# Altium PCB PCB1_lsit.PcbDoc (part 1 of 2)
Units mil, origin at the board's own origin, x right, y up, seen from the top; angles counter-clockwise.
Board outline 2771.38 x 2850.31 mil, 2 copper layers (Top Layer, Bottom Layer); 97 components, 68 nets, 354 pads, 118 vias.
Unrouted connection lines stored in the file: 70.
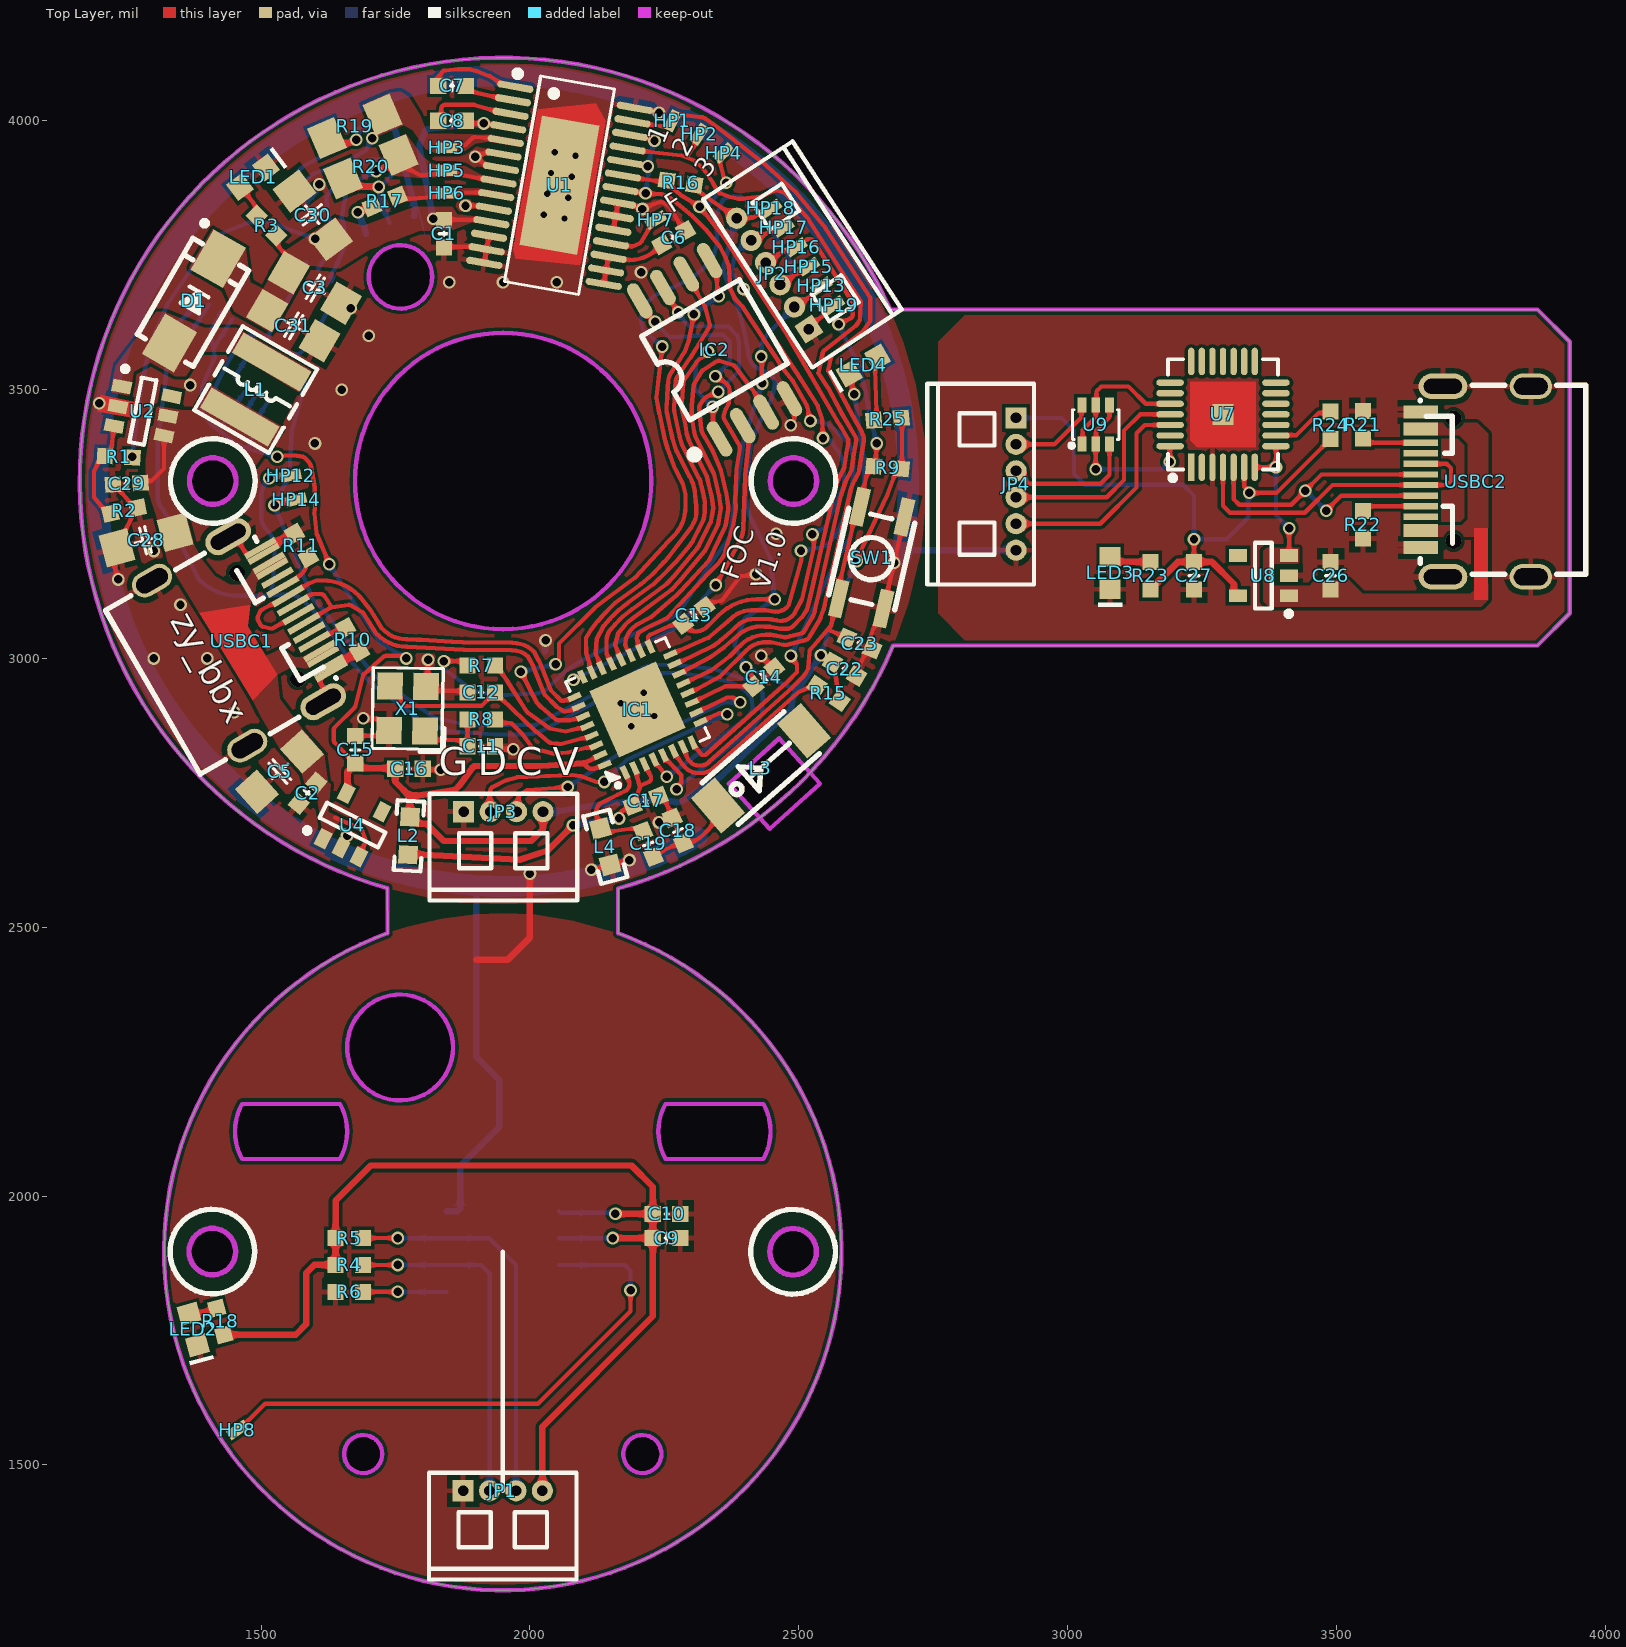
[diagram p0: Top Layer view]
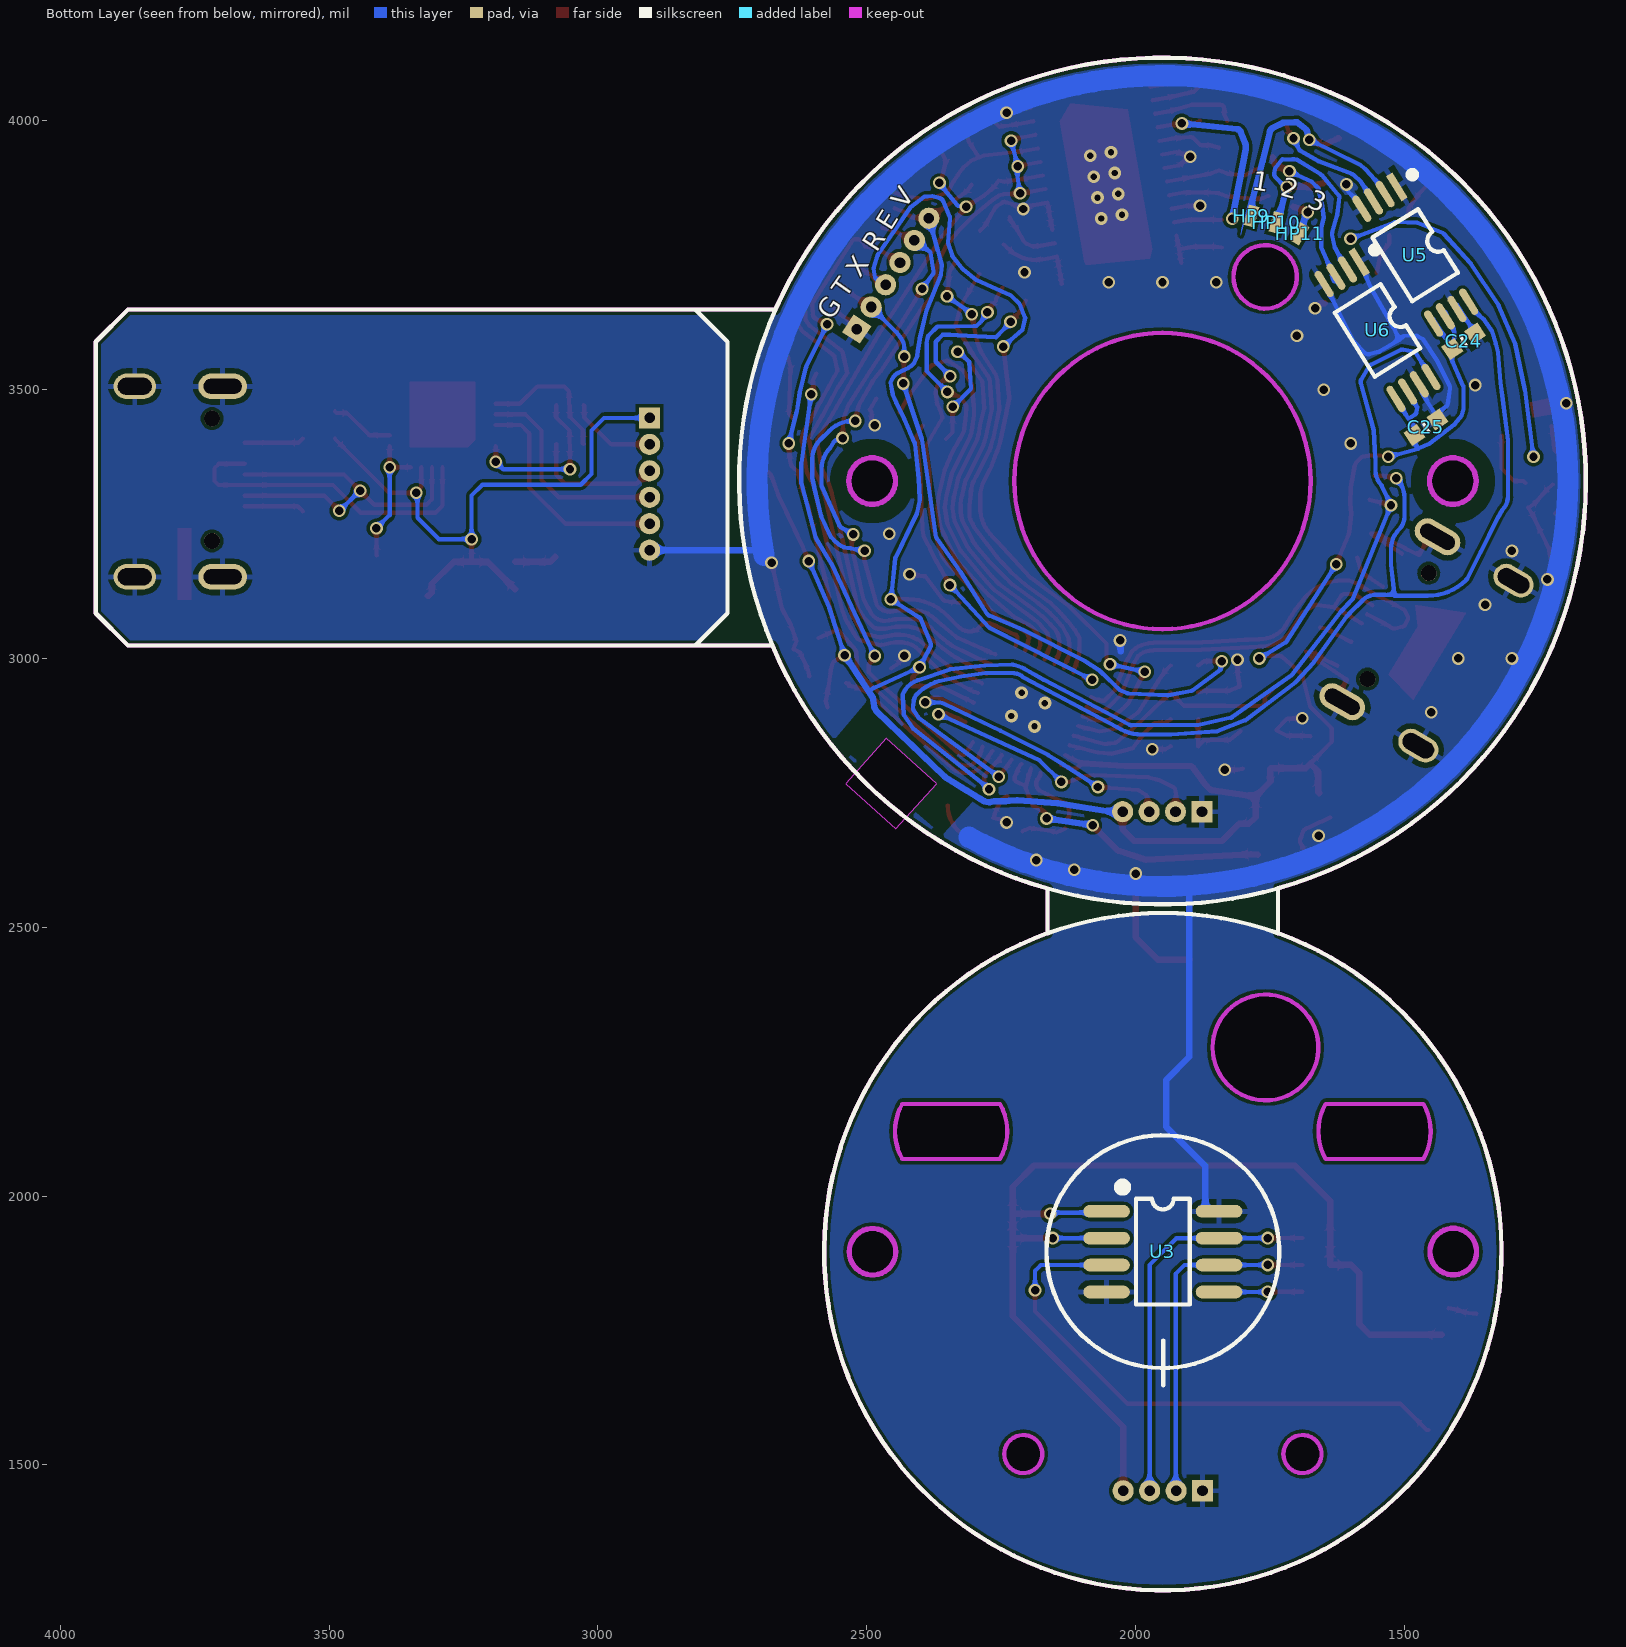
[diagram p1: Bottom Layer view, seen from below]
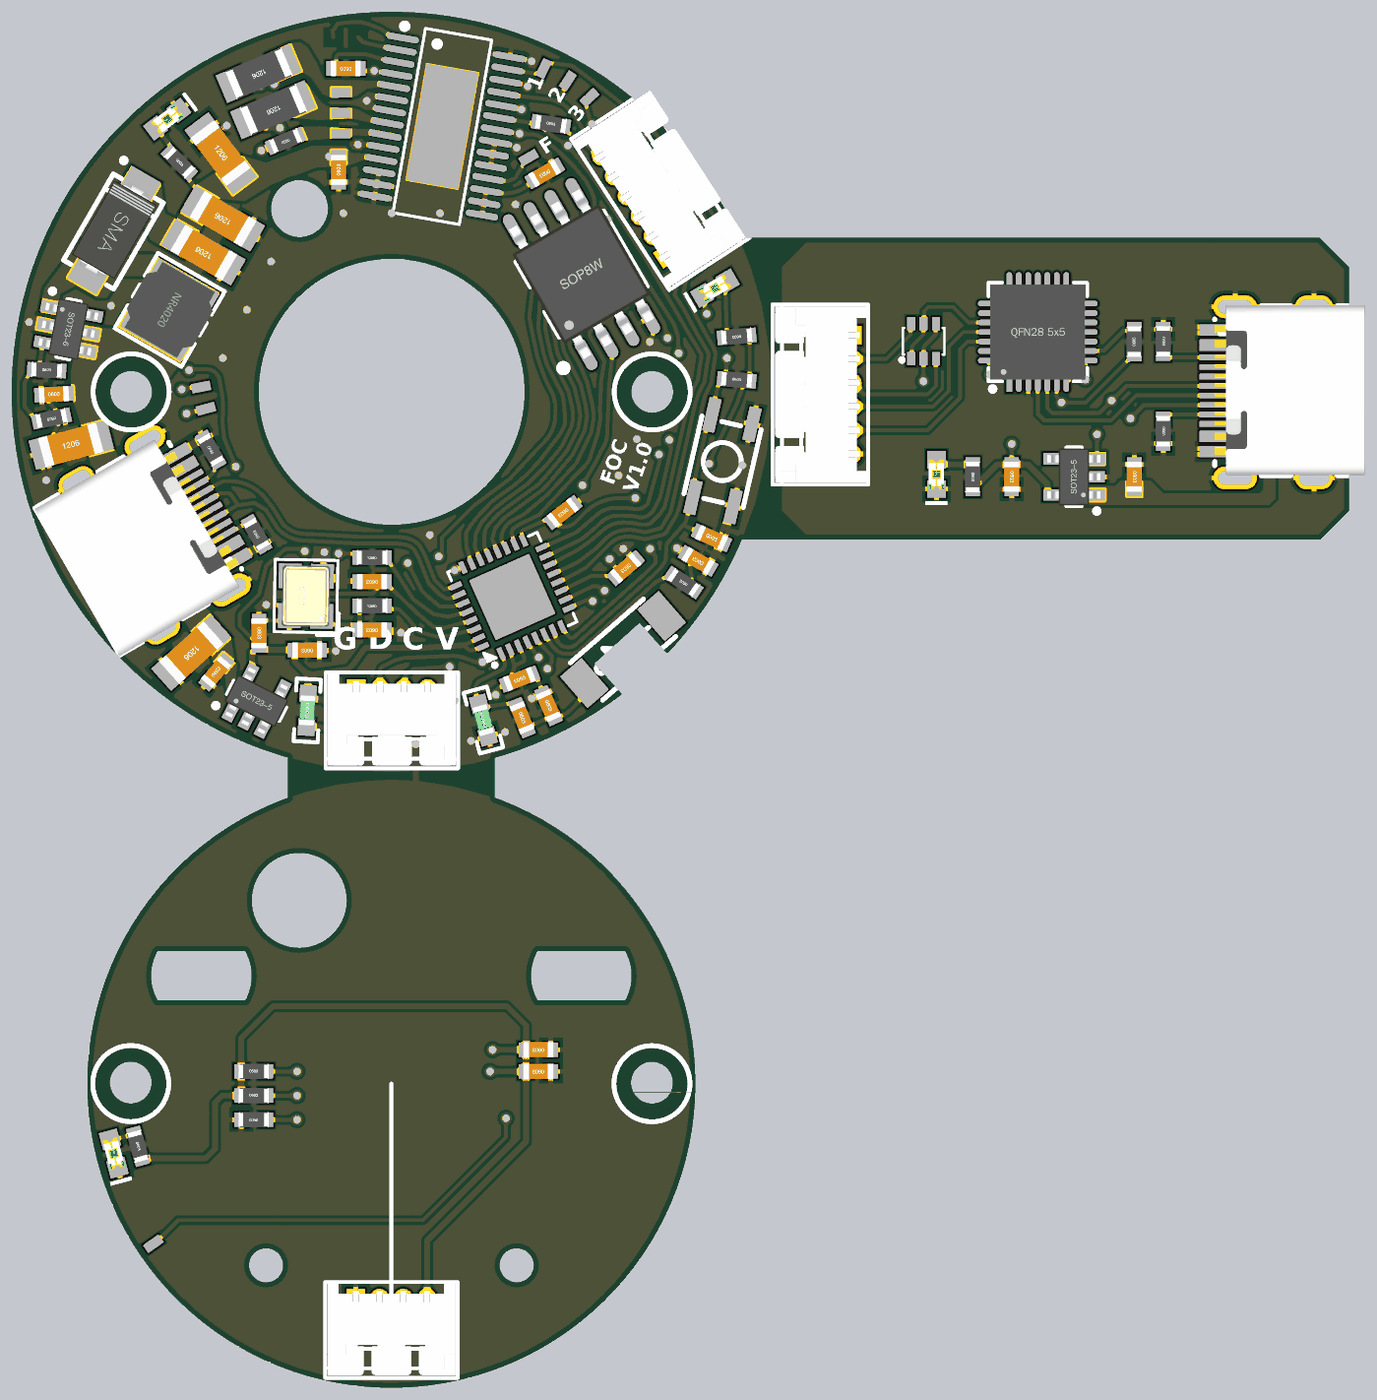
[diagram p3: 3D render of the assembled board from above, using the file's embedded part models]
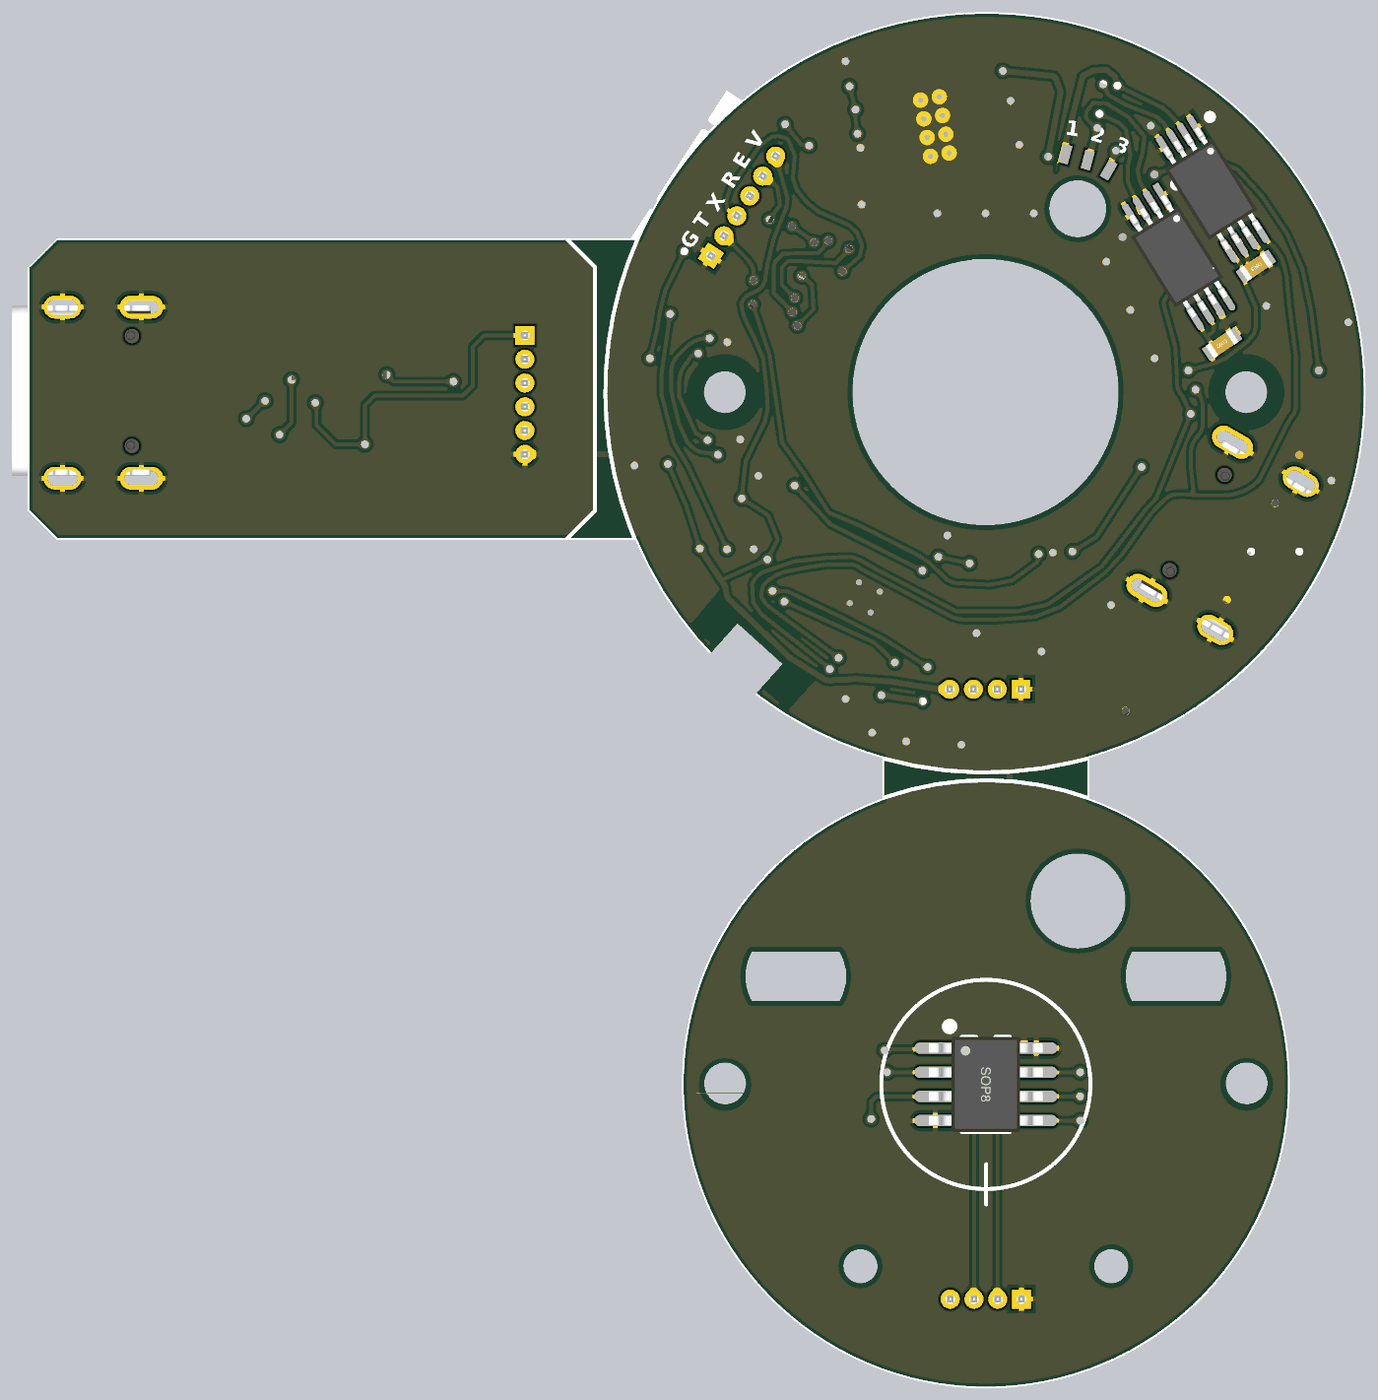
[diagram p4: 3D render of the assembled board from below, using the file's embedded part models]

## Layer stack, top to bottom
Top Solder: solder mask 0.4, Solder Resist, Dk 3.5
Top Layer: signal copper 1.4
Dielectric 1: dielectric 12.6, FR-4, Dk 4.8
Bottom Layer: signal copper 1.4
Bottom Solder: solder mask 0.4, Solder Resist, Dk 3.5

## Board outline
1735.03,2489.09 1735,2572.41 1735.03,2572.51 cw(c1950,3330) 2669.71,3649.41 2669.71,3649 3874,3649 3934,3589 3934,3084 3874,3024 2675.46,3024 2675.55,3023.96 cw(c1950.02,3329.92) 2163.74,2572.08 2163.74,2489.22 2163.69,2489.09 cw(c1949.37,1896.75)
cut-out: 1409.23,1855.58 cw(c1409.23,1898.88) 1365.92,1898.88 cw(c1409.23,1898.88) 1409.23,1942.19 cw(c1409.23,1898.88) 1452.53,1898.88 cw(c1409.23,1898.88)
cut-out: 2489.39,1855.38 cw(c2489.39,1898.69) 2446.08,1898.69 cw(c2489.39,1898.69) 2489.39,1941.99 cw(c2489.39,1898.69) 2532.7,1898.69 cw(c2489.39,1898.69)
cut-out: 2173.58,1520.33 ccw(c2209.01,1520.33) 2209.01,1484.9 ccw(c2209.01,1520.33) 2244.45,1520.33 ccw(c2209.01,1520.33) 2209.01,1555.76 ccw(c2209.01,1520.33)
cut-out: 1654.29,1520.33 ccw(c1689.72,1520.33) 1689.72,1484.9 ccw(c1689.72,1520.33) 1725.16,1520.33 ccw(c1689.72,1520.33) 1689.72,1555.76 ccw(c1689.72,1520.33)
cut-out: 1464.75,2069.15 cw(c1555.67,2120.33) 1464.75,2171.51 1646.58,2171.51 cw(c1555.67,2120.33) 1646.58,2069.15
cut-out: 1758.42,2178.04 cw(c1758.42,2276.46) 1660,2276.46 cw(c1758.42,2276.46) 1758.42,2374.89 cw(c1758.42,2276.46) 1856.85,2276.46 cw(c1758.42,2276.46)
cut-out: 2252.16,2069.15 2433.98,2069.15 ccw(c2343.07,2120.33) 2433.98,2171.51 2252.16,2171.51 ccw(c2343.07,2120.33)
cut-out: 1950,3054.41 cw(c1950,3330) 1674.41,3330 cw(c1950,3330) 1950,3605.59 cw(c1950,3330) 2225.59,3330 cw(c1950,3330)
cut-out: 1759.06,3650.66 cw(c1759.06,3709.71) 1700,3709.71 cw(c1759.06,3709.71) 1759.06,3768.77 cw(c1759.06,3709.71) 1818.11,3709.71 cw(c1759.06,3709.71)
cut-out: 2490,3286.69 cw(c2490,3330) 2446.69,3330 cw(c2490,3330) 2490,3373.31 cw(c2490,3330) 2533.31,3330 cw(c2490,3330)
cut-out: 1410,3286.69 cw(c1410,3330) 1366.69,3330 cw(c1410,3330) 1410,3373.31 cw(c1410,3330) 1453.31,3330 cw(c1410,3330)
cut-out: 2445.87,2682.96 2369.97,2767.25 2463.6,2851.55 2539.5,2767.26

## Design rules (kind name [scope] priority, off if disabled: settings)
Clearance [All] p1: gap=6 ignorepadtopadclearanceinfootprint=TRUE
HoleSize [All] p1 off: absolutevalues=TRUE maxlimit=100 minlimit=1 maxpercent=80.000 minpercent=20.000
HoleToHoleClearance [All] p1 off: gap=10 allowstackedmicrovias=TRUE
LayerPairs [All] p1 off: enforce=TRUE
MinimumSolderMaskSliver [All] p1 off: minsoldermaskwidth=10
NetAntennae [All] p1 off: netantennaetolerance=0
PolygonConnect [InNet('GND')] p1: thpad.connectstyle=Relief thpad.reliefconductorwidth=10 thpad.reliefentries=4 thpad.polygonreliefangle="90 Angle" thpad.airgapwidth=10 smdpad.connectstyle=Relief smdpad.reliefconductorwidth=10 smdpad.reliefentries=4 smdpad.polygonreliefangle="90 Angle" smdpad.airgapwidth=10 via.connectstyle=Direct via.reliefconductorwidth=10 via.reliefentries=4 via.polygonreliefangle="90 Angle" via.airgapwidth=10
PolygonConnect PolygonConnect_1 [All] p2: connectstyle=Direct reliefconductorwidth=10 reliefentries=4 polygonreliefangle="90 Angle" airgapwidth=10
RoutingVias [All] p1: holewidth=15.75 width=23.62 viastyle="Through Hole" minholewidth=15.75 minwidth=23.62 maxholewidth=15.75 maxwidth=23.62
SilkToSilkClearance [All] p1 off: silktosilkclearance=10
SilkToSolderMaskClearance [IsPad] p1 off: minsilkscreentomaskgap=10 clearancetoexposedcopper=TRUE
SolderMaskExpansion [All] p1: expansion=4 istentingtop=FALSE
UnRoutedNet [All] p1: checkbadconnections=TRUE
Width [All] p1: maxlimit=12 minlimit=8 preferedwidth=8
22 further rules are at their usual default settings.

## Classes and differential pairs
component class Sheet1: C1 C2 C3 C5 C6 C7 C8 C11 C12 C13 C14 C15 C16 C17 C18 C19 C22 C23 C24 C25 C28 C29 C30 C31 D1 HP1 HP2 HP3 HP4 HP5 HP6 HP7 HP9 HP10 HP11 HP12 HP13 HP14 HP15 HP16 HP17 HP18 HP19 IC1 IC2 JP2 JP3 L1 L2 L3 L4 LED1 LED4 R1 R2 R3 R7 R8 R9 R10 R11 R15 R16 R17 R19 R20 R25 SW1 U1 U2 U4 U5 U6 USBC1 X1

## Components (designator, comment, footprint, x,y, rotation, side; value= is the part's Value field where it differs from the comment)
C1 "104" "C 0603_L" 1840,3790 r90 top
C2 "104" "C 0603_L" 1586.45,2749.61 r50 top
C3 "22uF" "C 1206_L" 1600.75,3688.62 r150 top
C5 "106" "C 1206_L" 1535,2790 r222 top
C6 "0.47uF" "C 0603_L" 2267.16,3782.79 r210 top
C7 "0.01uF/100V" "C 0603_L" 1855,4065 r0 top
C8 "0.1uF/16V/MLCC" "C 0603_L" 1855,4000 r180 top
C9 "104" "C 0603_L" 2254,1922 r180 top locked
C10 "105" "C 0603_L" 2254,1967 r180 top locked
C11 "10pF" "C 0603_L" 1909.33,2836.79 r180 top
C12 "10pF" "C 0603_L" 1909.34,2936.8 r180 top
C13 "105" "C 0603_L" 2305,3080 r218 top
C14 "103" "C 0603_L" 2435,2965 r221 top
C15 "105" "C 0603_L" 1675,2830 r270 top
C16 "104" "C 0603_L" 1775,2795 r180 top
C17 "104" "C 0603_L" 2215,2735 r201 top
C18 "2.4pF" "C 0603_L" 2275,2680 r294 top
C19 "8.2pF" "C 0603_L" 2220,2655 r292 top
C22 "104" "C 0603_L" 2585,2980 r150 top
C23 "104" "C 0603_L" 2612.96,3027.81 r336 top
C24 "104" "C 0603_L" 1390,3590 r326 bottom
C25 "104" "C 0603_L" 1460,3430 r146 bottom
C26 "104" "C 0603_L" 3489,3154 r270 top
C27 "104" "C 0603_L" 3235,3154 r270 top
C28 "10uF" "C 1206_L" 1285,3220 r15 top
C29 "104" "C 0603_L" 1250,3325 r3 top
C30 "47UF" "C 1206_L" 1595,3825 r307 top
C31 "47UF" "C 1206_L" 1560.75,3618.62 r150 top
D1 "SS14" SMA 1375,3665 r60 top
HP1 "HP" HP1x0.5 2265,4000 r244 top
HP2 "HP" HP1x0.5 2315,3975 r237 top
HP3 "HP" HP1x0.5 1845,3950 r180 top
HP4 "HP" HP1x0.5 2360,3940 r223 top
HP5 "HP" HP1x0.5 1845,3907.5 r180 top
HP6 "HP" HP1x0.5 1845,3865 r180 top
HP7 "HP" HP1x0.5 2233.85,3815.48 r210 top
HP8 "HP" HP1x0.5 1456,1565 r35 top
HP9 "OUT1" HP1x0.5 1784.55,3822.92 r105 bottom
HP10 "OUT2" HP1x0.5 1738.49,3810.58 r105 bottom
HP11 "OUT3" HP1x0.5 1695,3790 r120 bottom
HP12 "HP" HP1x0.5 1555,3340 r11 top
HP13 "HP" HP1x0.5 2541.84,3692.87 r33 top
HP14 "HP" HP1x0.5 1565,3295 r15 top
HP15 "HP" HP1x0.5 2518.42,3728.94 r33 top
HP16 "HP" HP1x0.5 2495,3765 r33 top
HP17 "HP" HP1x0.5 2471.58,3801.06 r33 top
HP18 "HP" HP1x0.5 2448.16,3837.13 r33 top
HP19 "HP" HP1x0.5 2565.26,3656.81 r33 top
IC1 "ESP32-C3" ESP32-C3 2200,2905 r114 top
IC2 "W25Q64" SOIC-8W 2343.32,3574.07 r120 top
JP1 "HDR-1X4" "MX 1.25-WI-4P" 1949.37,1452 r0 top locked
JP2 "HDR-1X6" "MX 1.25-WI-6P" 2451.6,3715.64 r123 top locked
JP3 "HDR-1X4" "MX 1.25-WI-4P" 1950.39,2715 r0 top
JP4 "HDR-1X6" "MX 1.25-WI-6P" 2904,3324.39 r270 top
L1 "4.7uH" NR4020 1490,3500 r240 top
L2 "2.0nH" "L 0603" 1775,2670 r267 top
L3 "AN2051" "AN2051-245 2.4G" 2430,2795 r41 top
L4 "1.5nH" "L 0603" 2140,2650 r105 top
LED1 "B" "LED 0603B" 1485,3895 r37 top
LED2 "B" "LED 0603B" 1374,1752 r285 top locked
LED3 "B" "LED 0603B" 3079,3159 r270 top
LED4 "B" "LED 0603B" 2620,3545 r210 top
R1 "47K" "R 0603_L" 1235,3375 r357 top
R2 "3K" "R 0603_L" 1245,3275 r192 top
R3 "4.7K" "R 0603_L" 1510,3805 r315 top
R4 "4.7K" "R 0603_L" 1664,1872 r0 top locked
R5 "4.7K" "R 0603_L" 1664,1922 r0 top locked
R6 "1K" "R 0603_L" 1664,1822 r180 top locked
R7 "0" "R 0603_L" 1909.33,2986.79 r180 top
R8 "0" "R 0603_L" 1909.33,2886.79 r180 top
R9 "10K" "R 0603_L" 2665,3355 r355 top
R10 "5.1K" "R 0603_L" 1670,3035 r120 top
R11 "5.1K" "R 0603_L" 1575,3210 r120 top
R15 "10K" "R 0603_L" 2555,2935 r146 top
R16 "10K" "R 0603_L" 2280,3885 r351 top
R17 "0" "R 0603_L" 1730,3850 r203 top
R18 "4.7K" "R 0603_L" 1424,1767 r285 top locked
R19 "0.01R" "R 1206_L" 1675,3990 r203 top
R20 "0.01R" "R 1206_L" 1705,3915 r203 top
R21 "5.1K" "R 0603_L" 3549,3434.59 r270 top
R22 "5.1K" "R 0603_L" 3549,3248.41 r270 top
R23 "4.7K" "R 0603_L" 3154,3154 r270 top
R24 "1K" "R 0603_L" 3489,3434 r90 top
R25 "1K" "R 0603_L" 2665,3445 r185 top
SW1 "3.2x4.2x5" "TSW SMD 3.2*4.2*2.5" 2635,3185 r77 top
U1 "DRV8313" HTSSOP-28-EP-4.5mm 2055,3880 r260 top
U2 "MT3608" SOT23-6L 1280,3460 r349 top
U3 "AS5600" SOIC-8 1949.37,1896.75 r180 bottom locked
U4 "TLV75533PDBVR" SOT23-5L 1670,2690 r63 top
U5 "INA240" TSSOP8_N 1480,3750 r238 bottom
U6 "INA240" TSSOP8_N 1550,3610 r238 bottom
U7 "CP2102" "QFN28 5x5_M" 3289,3454 r0 top
U8 "TLV75533PDBVR" SOT23-5L 3364,3154 r180 top
U9 "UMH3N" SOT-363 3054,3434 r90 top
USBC1 "TYPE-C 2.0 -16P" USB-C-SMD_TYPE-C-USB-5 1470,3040 r300 top locked
USBC2 "TYPE-C 2.0 -16P" USB-C-SMD_TYPE-C-USB-5 3764,3329 r90 top
X1 "40M" "OSC 3225-4P" 1772.26,2906.92 r89 top

## Footprints (in the part's own frame and the unit in brackets; to place one, negate y for a bottom-side part, rotate by r counter-clockwise, add the part's x,y. Pads: shape width x height; smd on the part's side, far side on the other; paste and mask are expansions set on the pad)
"AN2051-245 2.4G" [mm] "2x5x1mm (2051)"
  rect 1.5x2.2 smd: 1(-2.679,0.03) 2(2.701,0.03)
  silkscreen extent -2.55,-1.27 2.56,1.33, body extent -2.59,-1.3 2.57,1.35, height 1
"C 0603_L" [mil] "无极性贴片电容                                       淘宝ID:黄晶宝石"
  rect 30x30 smd: 1(-25.59,0) 2(25.59,0)
  silkscreen extent -3,-9 3,9, body extent -31,-16 32,16, height 32
"C 1206_L" [mil] "无极性贴片电容                 淘宝ID:黄晶宝石"
  rect 55x62 smd: 1(-55.12,0) 2(57.09,0)
  silkscreen extent -20,-25 20,25, body extent -63,-32 63,32, height 48
ESP32-C3 [mm] "QFN32(5x5)"
  rect 0.65x0.28 smd: 1(-2.478,1.75) 2(-2.478,1.25) 3(-2.478,0.75) 4(-2.478,0.25) 5(-2.477,-0.25) 6(-2.478,-0.75) 7(-2.478,-1.25) 8(-2.478,-1.75) 17(2.478,-1.75) 18(2.478,-1.25) 19(2.478,-0.75) 20(2.478,-0.25) 21(2.478,0.25) 22(2.478,0.75) 23(2.478,1.25) 24(2.478,1.75)
  rect 0.28x0.65 smd: 9(-1.75,-2.478) 10(-1.25,-2.478) 11(-0.75,-2.478) 12(-0.25,-2.478) 13(0.25,-2.478) 14(0.75,-2.478) 15(1.25,-2.478) 16(1.75,-2.478) 25(1.75,2.477) 26(1.25,2.478) 27(0.75,2.478) 28(0.25,2.477) 29(-0.25,2.478) 30(-0.75,2.478) 31(-1.25,2.478) 32(-1.75,2.478)
  rect 3.444x3.444 smd: 33(0,0)
  silkscreen extent -3,-2.58 2.58,2.58, body extent -2.54,-2.54 2.54,2.54, height 0.25
HP1x0.5 [mm]
  rect 1x0.5 smd: 1(0,0)
HTSSOP-28-EP-4.5mm [mm] "DRV8313"
  oval 0.343x1.731 smd paste+0 mask+0.051: 1(-4.225,-2.866) 2(-3.575,-2.866) 3(-2.925,-2.866) 4(-2.275,-2.866) 5(-1.625,-2.866) 6(-0.975,-2.866) 7(-0.325,-2.866) 8(0.325,-2.866) 9(0.975,-2.866) 10(1.625,-2.866) 11(2.275,-2.866) 12(2.925,-2.866) 13(3.575,-2.866) 14(4.225,-2.866) 15(4.225,2.866) 16(3.575,2.866) 17(2.925,2.866) 18(2.275,2.866) 19(1.625,2.866) 20(0.975,2.866) 21(0.325,2.866) 22(-0.325,2.866) 23(-0.975,2.866) 24(-1.625,2.866) 25(-2.275,2.866) 26(-2.925,2.866) 27(-3.575,2.866) 28(-4.225,2.866)
  rect 6.2x2.75 smd paste+0 mask+0.051: 29(0,0)
  silkscreen extent -5,-3.02 4.93,1.77
"L 0603" [mil] "小功率贴片电感        淘宝ID:黄晶宝石"
  rect 35x35 smd: 1(-35,0) 2(35,0)
  silkscreen extent -65,-25 65,25, body extent -31,-16 32,16, height 31
"LED 0603B" [mm] "蓝色0603LED                             淘宝ID:黄晶宝石"
  rect 0.93x0.98 smd: 1(-0.77,0) 2(0.77,0)
  silkscreen extent 1.4,-0.58 1.6,0.58, body extent -0.8,-0.4 0.8,0.4, height 0.61
"MX 1.25-WI-4P" [mm] "长：6.75mm，宽：1.8mm，高：3.3mm"
  rect 1x1 hole 0.5: 1(-1.875,0)
  round 1 hole 0.5: 2(-0.625,0) 3(0.625,0) 4(1.875,0)
  silkscreen extent -3.49,-4.19 3.49,0.85, body extent -3.37,-4.05 3.37,0.85, height 3.35
"MX 1.25-WI-6P" [mm] "长：9.25mm，宽：1.8mm，高：3.3mm"
  rect 1x1 hole 0.5: 1(-3.125,0)
  round 1 hole 0.5: 2(-1.875,0) 3(-0.625,0) 4(0.625,0) 5(1.875,0) 6(3.125,0)
  silkscreen extent -4.74,-4.19 4.74,0.85, body extent -4.62,-4.05 4.63,0.85, height 3.35
NR4020 [mm] "4.0mm*4.0mm*2.0mm(长*宽*高）"
  rect 1.1x3.7 smd: 1(-1.5,0) 2(1.5,0)
  silkscreen extent -2.29,-2.03 2.29,2.03, body extent -2,-2 2,2, height 2.1
"OSC 3225-4P" [mm] "3.2*2.5*0.7mm(长宽高)                         淘宝ID:黄晶宝石"
  rect 1.3x1.2 smd: 1(-1.05,-0.85) 2(1.05,-0.85) 3(1.05,0.85) 4(-1.05,0.85)